# Allegro board LED_FIN.brd (continued)
## Nets (continued)
COL_OUT_B13: D7997.1(CATHODE) D8027.1(CATHODE) D8057.1(CATHODE) D8087.1(CATHODE) D8117.1(CATHODE) D8147.1(CATHODE) D8177.1(CATHODE) D8207.1(CATHODE) D8237.1(CATHODE) D8267.1(CATHODE) D8297.1(CATHODE) D8327.1(CATHODE) D8357.1(CATHODE) D8387.1(CATHODE) D8417.1(CATHODE) D8447.1(CATHODE) D8477.1(CATHODE) D8507.1(CATHODE) D8537.1(CATHODE) D8567.1(CATHODE) D8597.1(CATHODE) D8627.1(CATHODE) D8657.1(CATHODE) D8687.1(CATHODE) D8717.1(CATHODE) D8747.1(CATHODE) D8777.1(CATHODE) D8807.1(CATHODE) D8837.1(CATHODE) D8867.1(CATHODE) D8897.1(CATHODE) D8927.1(CATHODE) D8957.1(CATHODE) D8987.1(CATHODE) D9017.1(CATHODE) D9047.1(CATHODE) D9077.1(CATHODE) D9107.1(CATHODE) R227.1
COL_OUT_B14: D7996.1(CATHODE) D8026.1(CATHODE) D8056.1(CATHODE) D8086.1(CATHODE) D8116.1(CATHODE) D8146.1(CATHODE) D8176.1(CATHODE) D8206.1(CATHODE) D8236.1(CATHODE) D8266.1(CATHODE) D8296.1(CATHODE) D8326.1(CATHODE) D8356.1(CATHODE) D8386.1(CATHODE) D8416.1(CATHODE) D8446.1(CATHODE) D8476.1(CATHODE) D8506.1(CATHODE) D8536.1(CATHODE) D8566.1(CATHODE) D8596.1(CATHODE) D8626.1(CATHODE) D8656.1(CATHODE) D8686.1(CATHODE) D8716.1(CATHODE) D8746.1(CATHODE) D8776.1(CATHODE) D8806.1(CATHODE) D8836.1(CATHODE) D8866.1(CATHODE) D8896.1(CATHODE) D8926.1(CATHODE) D8956.1(CATHODE) D8986.1(CATHODE) D9016.1(CATHODE) D9046.1(CATHODE) D9076.1(CATHODE) D9106.1(CATHODE) R226.1
COL_OUT_B15: D7995.1(CATHODE) D8025.1(CATHODE) D8055.1(CATHODE) D8085.1(CATHODE) D8115.1(CATHODE) D8145.1(CATHODE) D8175.1(CATHODE) D8205.1(CATHODE) D8235.1(CATHODE) D8265.1(CATHODE) D8295.1(CATHODE) D8325.1(CATHODE) D8355.1(CATHODE) D8385.1(CATHODE) D8415.1(CATHODE) D8445.1(CATHODE) D8475.1(CATHODE) D8505.1(CATHODE) D8535.1(CATHODE) D8565.1(CATHODE) D8595.1(CATHODE) D8625.1(CATHODE) D8655.1(CATHODE) D8685.1(CATHODE) D8715.1(CATHODE) D8745.1(CATHODE) D8775.1(CATHODE) D8805.1(CATHODE) D8835.1(CATHODE) D8865.1(CATHODE) D8895.1(CATHODE) D8925.1(CATHODE) D8955.1(CATHODE) D8985.1(CATHODE) D9015.1(CATHODE) D9045.1(CATHODE) D9075.1(CATHODE) D9105.1(CATHODE) R225.1
COL_OUT_B16: D7994.1(CATHODE) D8024.1(CATHODE) D8054.1(CATHODE) D8084.1(CATHODE) D8114.1(CATHODE) D8144.1(CATHODE) D8174.1(CATHODE) D8204.1(CATHODE) D8234.1(CATHODE) D8264.1(CATHODE) D8294.1(CATHODE) D8324.1(CATHODE) D8354.1(CATHODE) D8384.1(CATHODE) D8414.1(CATHODE) D8444.1(CATHODE) D8474.1(CATHODE) D8504.1(CATHODE) D8534.1(CATHODE) D8564.1(CATHODE) D8594.1(CATHODE) D8624.1(CATHODE) D8654.1(CATHODE) D8684.1(CATHODE) D8714.1(CATHODE) D8744.1(CATHODE) D8774.1(CATHODE) D8804.1(CATHODE) D8834.1(CATHODE) D8864.1(CATHODE) D8894.1(CATHODE) D8924.1(CATHODE) D8954.1(CATHODE) D8984.1(CATHODE) D9014.1(CATHODE) D9044.1(CATHODE) D9074.1(CATHODE) D9104.1(CATHODE) R224.1
COL_OUT_B17: D7993.1(CATHODE) D8023.1(CATHODE) D8053.1(CATHODE) D8083.1(CATHODE) D8113.1(CATHODE) D8143.1(CATHODE) D8173.1(CATHODE) D8203.1(CATHODE) D8233.1(CATHODE) D8263.1(CATHODE) D8293.1(CATHODE) D8323.1(CATHODE) D8353.1(CATHODE) D8383.1(CATHODE) D8413.1(CATHODE) D8443.1(CATHODE) D8473.1(CATHODE) D8503.1(CATHODE) D8533.1(CATHODE) D8563.1(CATHODE) D8593.1(CATHODE) D8623.1(CATHODE) D8653.1(CATHODE) D8683.1(CATHODE) D8713.1(CATHODE) D8743.1(CATHODE) D8773.1(CATHODE) D8803.1(CATHODE) D8833.1(CATHODE) D8863.1(CATHODE) D8893.1(CATHODE) D8923.1(CATHODE) D8953.1(CATHODE) D8983.1(CATHODE) D9013.1(CATHODE) D9043.1(CATHODE) D9073.1(CATHODE) D9103.1(CATHODE) R223.1
COL_OUT_B18: D7992.1(CATHODE) D8022.1(CATHODE) D8052.1(CATHODE) D8082.1(CATHODE) D8112.1(CATHODE) D8142.1(CATHODE) D8172.1(CATHODE) D8202.1(CATHODE) D8232.1(CATHODE) D8262.1(CATHODE) D8292.1(CATHODE) D8322.1(CATHODE) D8352.1(CATHODE) D8382.1(CATHODE) D8412.1(CATHODE) D8442.1(CATHODE) D8472.1(CATHODE) D8502.1(CATHODE) D8532.1(CATHODE) D8562.1(CATHODE) D8592.1(CATHODE) D8622.1(CATHODE) D8652.1(CATHODE) D8682.1(CATHODE) D8712.1(CATHODE) D8742.1(CATHODE) D8772.1(CATHODE) D8802.1(CATHODE) D8832.1(CATHODE) D8862.1(CATHODE) D8892.1(CATHODE) D8922.1(CATHODE) D8952.1(CATHODE) D8982.1(CATHODE) D9012.1(CATHODE) D9042.1(CATHODE) D9072.1(CATHODE) D9102.1(CATHODE) R222.1
COL_OUT_B19: D7991.1(CATHODE) D8021.1(CATHODE) D8051.1(CATHODE) D8081.1(CATHODE) D8111.1(CATHODE) D8141.1(CATHODE) D8171.1(CATHODE) D8201.1(CATHODE) D8231.1(CATHODE) D8261.1(CATHODE) D8291.1(CATHODE) D8321.1(CATHODE) D8351.1(CATHODE) D8381.1(CATHODE) D8411.1(CATHODE) D8441.1(CATHODE) D8471.1(CATHODE) D8501.1(CATHODE) D8531.1(CATHODE) D8561.1(CATHODE) D8591.1(CATHODE) D8621.1(CATHODE) D8651.1(CATHODE) D8681.1(CATHODE) D8711.1(CATHODE) D8741.1(CATHODE) D8771.1(CATHODE) D8801.1(CATHODE) D8831.1(CATHODE) D8861.1(CATHODE) D8891.1(CATHODE) D8921.1(CATHODE) D8951.1(CATHODE) D8981.1(CATHODE) D9011.1(CATHODE) D9041.1(CATHODE) D9071.1(CATHODE) D9101.1(CATHODE) R221.1
COL_OUT_B20: D7990.1(CATHODE) D8020.1(CATHODE) D8050.1(CATHODE) D8080.1(CATHODE) D8110.1(CATHODE) D8140.1(CATHODE) D8170.1(CATHODE) D8200.1(CATHODE) D8230.1(CATHODE) D8260.1(CATHODE) D8290.1(CATHODE) D8320.1(CATHODE) D8350.1(CATHODE) D8380.1(CATHODE) D8410.1(CATHODE) D8440.1(CATHODE) D8470.1(CATHODE) D8500.1(CATHODE) D8530.1(CATHODE) D8560.1(CATHODE) D8590.1(CATHODE) D8620.1(CATHODE) D8650.1(CATHODE) D8680.1(CATHODE) D8710.1(CATHODE) D8740.1(CATHODE) D8770.1(CATHODE) D8800.1(CATHODE) D8830.1(CATHODE) D8860.1(CATHODE) D8890.1(CATHODE) D8920.1(CATHODE) D8950.1(CATHODE) D8980.1(CATHODE) D9010.1(CATHODE) D9040.1(CATHODE) D9070.1(CATHODE) D9100.1(CATHODE) R220.1
COL_OUT_B21: D7989.1(CATHODE) D8019.1(CATHODE) D8049.1(CATHODE) D8079.1(CATHODE) D8109.1(CATHODE) D8139.1(CATHODE) D8169.1(CATHODE) D8199.1(CATHODE) D8229.1(CATHODE) D8259.1(CATHODE) D8289.1(CATHODE) D8319.1(CATHODE) D8349.1(CATHODE) D8379.1(CATHODE) D8409.1(CATHODE) D8439.1(CATHODE) D8469.1(CATHODE) D8499.1(CATHODE) D8529.1(CATHODE) D8559.1(CATHODE) D8589.1(CATHODE) D8619.1(CATHODE) D8649.1(CATHODE) D8679.1(CATHODE) D8709.1(CATHODE) D8739.1(CATHODE) D8769.1(CATHODE) D8799.1(CATHODE) D8829.1(CATHODE) D8859.1(CATHODE) D8889.1(CATHODE) D8919.1(CATHODE) D8949.1(CATHODE) D8979.1(CATHODE) D9009.1(CATHODE) D9039.1(CATHODE) D9069.1(CATHODE) D9099.1(CATHODE) R219.1
COL_OUT_B22: D7988.1(CATHODE) D8018.1(CATHODE) D8048.1(CATHODE) D8078.1(CATHODE) D8108.1(CATHODE) D8138.1(CATHODE) D8168.1(CATHODE) D8198.1(CATHODE) D8228.1(CATHODE) D8258.1(CATHODE) D8288.1(CATHODE) D8318.1(CATHODE) D8348.1(CATHODE) D8378.1(CATHODE) D8408.1(CATHODE) D8438.1(CATHODE) D8468.1(CATHODE) D8498.1(CATHODE) D8528.1(CATHODE) D8558.1(CATHODE) D8588.1(CATHODE) D8618.1(CATHODE) D8648.1(CATHODE) D8678.1(CATHODE) D8708.1(CATHODE) D8738.1(CATHODE) D8768.1(CATHODE) D8798.1(CATHODE) D8828.1(CATHODE) D8858.1(CATHODE) D8888.1(CATHODE) D8918.1(CATHODE) D8948.1(CATHODE) D8978.1(CATHODE) D9008.1(CATHODE) D9038.1(CATHODE) D9068.1(CATHODE) D9098.1(CATHODE) R218.1
COL_OUT_B23: D7987.1(CATHODE) D8017.1(CATHODE) D8047.1(CATHODE) D8077.1(CATHODE) D8107.1(CATHODE) D8137.1(CATHODE) D8167.1(CATHODE) D8197.1(CATHODE) D8227.1(CATHODE) D8257.1(CATHODE) D8287.1(CATHODE) D8317.1(CATHODE) D8347.1(CATHODE) D8377.1(CATHODE) D8407.1(CATHODE) D8437.1(CATHODE) D8467.1(CATHODE) D8497.1(CATHODE) D8527.1(CATHODE) D8557.1(CATHODE) D8587.1(CATHODE) D8617.1(CATHODE) D8647.1(CATHODE) D8677.1(CATHODE) D8707.1(CATHODE) D8737.1(CATHODE) D8767.1(CATHODE) D8797.1(CATHODE) D8827.1(CATHODE) D8857.1(CATHODE) D8887.1(CATHODE) D8917.1(CATHODE) D8947.1(CATHODE) D8977.1(CATHODE) D9007.1(CATHODE) D9037.1(CATHODE) D9067.1(CATHODE) D9097.1(CATHODE) R217.1
COL_OUT_B24: D7986.1(CATHODE) D8016.1(CATHODE) D8046.1(CATHODE) D8076.1(CATHODE) D8106.1(CATHODE) D8136.1(CATHODE) D8166.1(CATHODE) D8196.1(CATHODE) D8226.1(CATHODE) D8256.1(CATHODE) D8286.1(CATHODE) D8316.1(CATHODE) D8346.1(CATHODE) D8376.1(CATHODE) D8406.1(CATHODE) D8436.1(CATHODE) D8466.1(CATHODE) D8496.1(CATHODE) D8526.1(CATHODE) D8556.1(CATHODE) D8586.1(CATHODE) D8616.1(CATHODE) D8646.1(CATHODE) D8676.1(CATHODE) D8706.1(CATHODE) D8736.1(CATHODE) D8766.1(CATHODE) D8796.1(CATHODE) D8826.1(CATHODE) D8856.1(CATHODE) D8886.1(CATHODE) D8916.1(CATHODE) D8946.1(CATHODE) D8976.1(CATHODE) D9006.1(CATHODE) D9036.1(CATHODE) D9066.1(CATHODE) D9096.1(CATHODE) R216.1
COL_OUT_B25: D7985.1(CATHODE) D8015.1(CATHODE) D8045.1(CATHODE) D8075.1(CATHODE) D8105.1(CATHODE) D8135.1(CATHODE) D8165.1(CATHODE) D8195.1(CATHODE) D8225.1(CATHODE) D8255.1(CATHODE) D8285.1(CATHODE) D8315.1(CATHODE) D8345.1(CATHODE) D8375.1(CATHODE) D8405.1(CATHODE) D8435.1(CATHODE) D8465.1(CATHODE) D8495.1(CATHODE) D8525.1(CATHODE) D8555.1(CATHODE) D8585.1(CATHODE) D8615.1(CATHODE) D8645.1(CATHODE) D8675.1(CATHODE) D8705.1(CATHODE) D8735.1(CATHODE) D8765.1(CATHODE) D8795.1(CATHODE) D8825.1(CATHODE) D8855.1(CATHODE) D8885.1(CATHODE) D8915.1(CATHODE) D8945.1(CATHODE) D8975.1(CATHODE) D9005.1(CATHODE) D9035.1(CATHODE) D9065.1(CATHODE) D9095.1(CATHODE) R215.1
COL_OUT_B26: D7984.1(CATHODE) D8014.1(CATHODE) D8044.1(CATHODE) D8074.1(CATHODE) D8104.1(CATHODE) D8134.1(CATHODE) D8164.1(CATHODE) D8194.1(CATHODE) D8224.1(CATHODE) D8254.1(CATHODE) D8284.1(CATHODE) D8314.1(CATHODE) D8344.1(CATHODE) D8374.1(CATHODE) D8404.1(CATHODE) D8434.1(CATHODE) D8464.1(CATHODE) D8494.1(CATHODE) D8524.1(CATHODE) D8554.1(CATHODE) D8584.1(CATHODE) D8614.1(CATHODE) D8644.1(CATHODE) D8674.1(CATHODE) D8704.1(CATHODE) D8734.1(CATHODE) D8764.1(CATHODE) D8794.1(CATHODE) D8824.1(CATHODE) D8854.1(CATHODE) D8884.1(CATHODE) D8914.1(CATHODE) D8944.1(CATHODE) D8974.1(CATHODE) D9004.1(CATHODE) D9034.1(CATHODE) D9064.1(CATHODE) D9094.1(CATHODE) R214.1
COL_OUT_B27: D7983.1(CATHODE) D8013.1(CATHODE) D8043.1(CATHODE) D8073.1(CATHODE) D8103.1(CATHODE) D8133.1(CATHODE) D8163.1(CATHODE) D8193.1(CATHODE) D8223.1(CATHODE) D8253.1(CATHODE) D8283.1(CATHODE) D8313.1(CATHODE) D8343.1(CATHODE) D8373.1(CATHODE) D8403.1(CATHODE) D8433.1(CATHODE) D8463.1(CATHODE) D8493.1(CATHODE) D8523.1(CATHODE) D8553.1(CATHODE) D8583.1(CATHODE) D8613.1(CATHODE) D8643.1(CATHODE) D8673.1(CATHODE) D8703.1(CATHODE) D8733.1(CATHODE) D8763.1(CATHODE) D8793.1(CATHODE) D8823.1(CATHODE) D8853.1(CATHODE) D8883.1(CATHODE) D8913.1(CATHODE) D8943.1(CATHODE) D8973.1(CATHODE) D9003.1(CATHODE) D9033.1(CATHODE) D9063.1(CATHODE) D9093.1(CATHODE) R213.1
COL_OUT_B28: D7982.1(CATHODE) D8012.1(CATHODE) D8042.1(CATHODE) D8072.1(CATHODE) D8102.1(CATHODE) D8132.1(CATHODE) D8162.1(CATHODE) D8192.1(CATHODE) D8222.1(CATHODE) D8252.1(CATHODE) D8282.1(CATHODE) D8312.1(CATHODE) D8342.1(CATHODE) D8372.1(CATHODE) D8402.1(CATHODE) D8432.1(CATHODE) D8462.1(CATHODE) D8492.1(CATHODE) D8522.1(CATHODE) D8552.1(CATHODE) D8582.1(CATHODE) D8612.1(CATHODE) D8642.1(CATHODE) D8672.1(CATHODE) D8702.1(CATHODE) D8732.1(CATHODE) D8762.1(CATHODE) D8792.1(CATHODE) D8822.1(CATHODE) D8852.1(CATHODE) D8882.1(CATHODE) D8912.1(CATHODE) D8942.1(CATHODE) D8972.1(CATHODE) D9002.1(CATHODE) D9032.1(CATHODE) D9062.1(CATHODE) D9092.1(CATHODE) R212.1
COL_OUT_B29: D7981.1(CATHODE) D8011.1(CATHODE) D8041.1(CATHODE) D8071.1(CATHODE) D8101.1(CATHODE) D8131.1(CATHODE) D8161.1(CATHODE) D8191.1(CATHODE) D8221.1(CATHODE) D8251.1(CATHODE) D8281.1(CATHODE) D8311.1(CATHODE) D8341.1(CATHODE) D8371.1(CATHODE) D8401.1(CATHODE) D8431.1(CATHODE) D8461.1(CATHODE) D8491.1(CATHODE) D8521.1(CATHODE) D8551.1(CATHODE) D8581.1(CATHODE) D8611.1(CATHODE) D8641.1(CATHODE) D8671.1(CATHODE) D8701.1(CATHODE) D8731.1(CATHODE) D8761.1(CATHODE) D8791.1(CATHODE) D8821.1(CATHODE) D8851.1(CATHODE) D8881.1(CATHODE) D8911.1(CATHODE) D8941.1(CATHODE) D8971.1(CATHODE) D9001.1(CATHODE) D9031.1(CATHODE) D9061.1(CATHODE) D9091.1(CATHODE) R211.1
COL_OUT_B30: D6870.1(CATHODE) D6900.1(CATHODE) D6930.1(CATHODE) D6960.1(CATHODE) D6990.1(CATHODE) D7020.1(CATHODE) D7050.1(CATHODE) D7080.1(CATHODE) D7110.1(CATHODE) D7140.1(CATHODE) D7170.1(CATHODE) D7200.1(CATHODE) D7230.1(CATHODE) D7260.1(CATHODE) D7290.1(CATHODE) D7320.1(CATHODE) D7350.1(CATHODE) D7380.1(CATHODE) D7410.1(CATHODE) D7440.1(CATHODE) D7470.1(CATHODE) D7500.1(CATHODE) D7530.1(CATHODE) D7560.1(CATHODE) D7590.1(CATHODE) D7620.1(CATHODE) D7650.1(CATHODE) D7680.1(CATHODE) D7710.1(CATHODE) D7740.1(CATHODE) D7770.1(CATHODE) D7800.1(CATHODE) D7830.1(CATHODE) D7860.1(CATHODE) D7890.1(CATHODE) D7920.1(CATHODE) D7950.1(CATHODE) D7980.1(CATHODE) R210.1
COL_OUT_B31: D6869.1(CATHODE) D6899.1(CATHODE) D6929.1(CATHODE) D6959.1(CATHODE) D6989.1(CATHODE) D7019.1(CATHODE) D7049.1(CATHODE) D7079.1(CATHODE) D7109.1(CATHODE) D7139.1(CATHODE) D7169.1(CATHODE) D7199.1(CATHODE) D7229.1(CATHODE) D7259.1(CATHODE) D7289.1(CATHODE) D7319.1(CATHODE) D7349.1(CATHODE) D7379.1(CATHODE) D7409.1(CATHODE) D7439.1(CATHODE) D7469.1(CATHODE) D7499.1(CATHODE) D7529.1(CATHODE) D7559.1(CATHODE) D7589.1(CATHODE) D7619.1(CATHODE) D7649.1(CATHODE) D7679.1(CATHODE) D7709.1(CATHODE) D7739.1(CATHODE) D7769.1(CATHODE) D7799.1(CATHODE) D7829.1(CATHODE) D7859.1(CATHODE) D7889.1(CATHODE) D7919.1(CATHODE) D7949.1(CATHODE) D7979.1(CATHODE) R209.1
COL_OUT_B32: D6868.1(CATHODE) D6898.1(CATHODE) D6928.1(CATHODE) D6958.1(CATHODE) D6988.1(CATHODE) D7018.1(CATHODE) D7048.1(CATHODE) D7078.1(CATHODE) D7108.1(CATHODE) D7138.1(CATHODE) D7168.1(CATHODE) D7198.1(CATHODE) D7228.1(CATHODE) D7258.1(CATHODE) D7288.1(CATHODE) D7318.1(CATHODE) D7348.1(CATHODE) D7378.1(CATHODE) D7408.1(CATHODE) D7438.1(CATHODE) D7468.1(CATHODE) D7498.1(CATHODE) D7528.1(CATHODE) D7558.1(CATHODE) D7588.1(CATHODE) D7618.1(CATHODE) D7648.1(CATHODE) D7678.1(CATHODE) D7708.1(CATHODE) D7738.1(CATHODE) D7768.1(CATHODE) D7798.1(CATHODE) D7828.1(CATHODE) D7858.1(CATHODE) D7888.1(CATHODE) D7918.1(CATHODE) D7948.1(CATHODE) D7978.1(CATHODE) R208.1
COL_OUT_B33: D6867.1(CATHODE) D6897.1(CATHODE) D6927.1(CATHODE) D6957.1(CATHODE) D6987.1(CATHODE) D7017.1(CATHODE) D7047.1(CATHODE) D7077.1(CATHODE) D7107.1(CATHODE) D7137.1(CATHODE) D7167.1(CATHODE) D7197.1(CATHODE) D7227.1(CATHODE) D7257.1(CATHODE) D7287.1(CATHODE) D7317.1(CATHODE) D7347.1(CATHODE) D7377.1(CATHODE) D7407.1(CATHODE) D7437.1(CATHODE) D7467.1(CATHODE) D7497.1(CATHODE) D7527.1(CATHODE) D7557.1(CATHODE) D7587.1(CATHODE) D7617.1(CATHODE) D7647.1(CATHODE) D7677.1(CATHODE) D7707.1(CATHODE) D7737.1(CATHODE) D7767.1(CATHODE) D7797.1(CATHODE) D7827.1(CATHODE) D7857.1(CATHODE) D7887.1(CATHODE) D7917.1(CATHODE) D7947.1(CATHODE) D7977.1(CATHODE) R207.1
COL_OUT_B34: D6866.1(CATHODE) D6896.1(CATHODE) D6926.1(CATHODE) D6956.1(CATHODE) D6986.1(CATHODE) D7016.1(CATHODE) D7046.1(CATHODE) D7076.1(CATHODE) D7106.1(CATHODE) D7136.1(CATHODE) D7166.1(CATHODE) D7196.1(CATHODE) D7226.1(CATHODE) D7256.1(CATHODE) D7286.1(CATHODE) D7316.1(CATHODE) D7346.1(CATHODE) D7376.1(CATHODE) D7406.1(CATHODE) D7436.1(CATHODE) D7466.1(CATHODE) D7496.1(CATHODE) D7526.1(CATHODE) D7556.1(CATHODE) D7586.1(CATHODE) D7616.1(CATHODE) D7646.1(CATHODE) D7676.1(CATHODE) D7706.1(CATHODE) D7736.1(CATHODE) D7766.1(CATHODE) D7796.1(CATHODE) D7826.1(CATHODE) D7856.1(CATHODE) D7886.1(CATHODE) D7916.1(CATHODE) D7946.1(CATHODE) D7976.1(CATHODE) R206.1
COL_OUT_B35: D6865.1(CATHODE) D6895.1(CATHODE) D6925.1(CATHODE) D6955.1(CATHODE) D6985.1(CATHODE) D7015.1(CATHODE) D7045.1(CATHODE) D7075.1(CATHODE) D7105.1(CATHODE) D7135.1(CATHODE) D7165.1(CATHODE) D7195.1(CATHODE) D7225.1(CATHODE) D7255.1(CATHODE) D7285.1(CATHODE) D7315.1(CATHODE) D7345.1(CATHODE) D7375.1(CATHODE) D7405.1(CATHODE) D7435.1(CATHODE) D7465.1(CATHODE) D7495.1(CATHODE) D7525.1(CATHODE) D7555.1(CATHODE) D7585.1(CATHODE) D7615.1(CATHODE) D7645.1(CATHODE) D7675.1(CATHODE) D7705.1(CATHODE) D7735.1(CATHODE) D7765.1(CATHODE) D7795.1(CATHODE) D7825.1(CATHODE) D7855.1(CATHODE) D7885.1(CATHODE) D7915.1(CATHODE) D7945.1(CATHODE) D7975.1(CATHODE) R205.1
COL_OUT_B36: D6864.1(CATHODE) D6894.1(CATHODE) D6924.1(CATHODE) D6954.1(CATHODE) D6984.1(CATHODE) D7014.1(CATHODE) D7044.1(CATHODE) D7074.1(CATHODE) D7104.1(CATHODE) D7134.1(CATHODE) D7164.1(CATHODE) D7194.1(CATHODE) D7224.1(CATHODE) D7254.1(CATHODE) D7284.1(CATHODE) D7314.1(CATHODE) D7344.1(CATHODE) D7374.1(CATHODE) D7404.1(CATHODE) D7434.1(CATHODE) D7464.1(CATHODE) D7494.1(CATHODE) D7524.1(CATHODE) D7554.1(CATHODE) D7584.1(CATHODE) D7614.1(CATHODE) D7644.1(CATHODE) D7674.1(CATHODE) D7704.1(CATHODE) D7734.1(CATHODE) D7764.1(CATHODE) D7794.1(CATHODE) D7824.1(CATHODE) D7854.1(CATHODE) D7884.1(CATHODE) D7914.1(CATHODE) D7944.1(CATHODE) D7974.1(CATHODE) R204.1
COL_OUT_B37: D6863.1(CATHODE) D6893.1(CATHODE) D6923.1(CATHODE) D6953.1(CATHODE) D6983.1(CATHODE) D7013.1(CATHODE) D7043.1(CATHODE) D7073.1(CATHODE) D7103.1(CATHODE) D7133.1(CATHODE) D7163.1(CATHODE) D7193.1(CATHODE) D7223.1(CATHODE) D7253.1(CATHODE) D7283.1(CATHODE) D7313.1(CATHODE) D7343.1(CATHODE) D7373.1(CATHODE) D7403.1(CATHODE) D7433.1(CATHODE) D7463.1(CATHODE) D7493.1(CATHODE) D7523.1(CATHODE) D7553.1(CATHODE) D7583.1(CATHODE) D7613.1(CATHODE) D7643.1(CATHODE) D7673.1(CATHODE) D7703.1(CATHODE) D7733.1(CATHODE) D7763.1(CATHODE) D7793.1(CATHODE) D7823.1(CATHODE) D7853.1(CATHODE) D7883.1(CATHODE) D7913.1(CATHODE) D7943.1(CATHODE) D7973.1(CATHODE) R203.1
COL_OUT_B38: D6862.1(CATHODE) D6892.1(CATHODE) D6922.1(CATHODE) D6952.1(CATHODE) D6982.1(CATHODE) D7012.1(CATHODE) D7042.1(CATHODE) D7072.1(CATHODE) D7102.1(CATHODE) D7132.1(CATHODE) D7162.1(CATHODE) D7192.1(CATHODE) D7222.1(CATHODE) D7252.1(CATHODE) D7282.1(CATHODE) D7312.1(CATHODE) D7342.1(CATHODE) D7372.1(CATHODE) D7402.1(CATHODE) D7432.1(CATHODE) D7462.1(CATHODE) D7492.1(CATHODE) D7522.1(CATHODE) D7552.1(CATHODE) D7582.1(CATHODE) D7612.1(CATHODE) D7642.1(CATHODE) D7672.1(CATHODE) D7702.1(CATHODE) D7732.1(CATHODE) D7762.1(CATHODE) D7792.1(CATHODE) D7822.1(CATHODE) D7852.1(CATHODE) D7882.1(CATHODE) D7912.1(CATHODE) D7942.1(CATHODE) D7972.1(CATHODE) R202.1
COL_OUT_B39: D6861.1(CATHODE) D6891.1(CATHODE) D6921.1(CATHODE) D6951.1(CATHODE) D6981.1(CATHODE) D7011.1(CATHODE) D7041.1(CATHODE) D7071.1(CATHODE) D7101.1(CATHODE) D7131.1(CATHODE) D7161.1(CATHODE) D7191.1(CATHODE) D7221.1(CATHODE) D7251.1(CATHODE) D7281.1(CATHODE) D7311.1(CATHODE) D7341.1(CATHODE) D7371.1(CATHODE) D7401.1(CATHODE) D7431.1(CATHODE) D7461.1(CATHODE) D7491.1(CATHODE) D7521.1(CATHODE) D7551.1(CATHODE) D7581.1(CATHODE) D7611.1(CATHODE) D7641.1(CATHODE) D7671.1(CATHODE) D7701.1(CATHODE) D7731.1(CATHODE) D7761.1(CATHODE) D7791.1(CATHODE) D7821.1(CATHODE) D7851.1(CATHODE) D7881.1(CATHODE) D7911.1(CATHODE) D7941.1(CATHODE) D7971.1(CATHODE) R201.1
COL_OUT_B40: D6860.1(CATHODE) D6890.1(CATHODE) D6920.1(CATHODE) D6950.1(CATHODE) D6980.1(CATHODE) D7010.1(CATHODE) D7040.1(CATHODE) D7070.1(CATHODE) D7100.1(CATHODE) D7130.1(CATHODE) D7160.1(CATHODE) D7190.1(CATHODE) D7220.1(CATHODE) D7250.1(CATHODE) D7280.1(CATHODE) D7310.1(CATHODE) D7340.1(CATHODE) D7370.1(CATHODE) D7400.1(CATHODE) D7430.1(CATHODE) D7460.1(CATHODE) D7490.1(CATHODE) D7520.1(CATHODE) D7550.1(CATHODE) D7580.1(CATHODE) D7610.1(CATHODE) D7640.1(CATHODE) D7670.1(CATHODE) D7700.1(CATHODE) D7730.1(CATHODE) D7760.1(CATHODE) D7790.1(CATHODE) D7820.1(CATHODE) D7850.1(CATHODE) D7880.1(CATHODE) D7910.1(CATHODE) D7940.1(CATHODE) D7970.1(CATHODE) R200.1
COL_OUT_B41: D6859.1(CATHODE) D6889.1(CATHODE) D6919.1(CATHODE) D6949.1(CATHODE) D6979.1(CATHODE) D7009.1(CATHODE) D7039.1(CATHODE) D7069.1(CATHODE) D7099.1(CATHODE) D7129.1(CATHODE) D7159.1(CATHODE) D7189.1(CATHODE) D7219.1(CATHODE) D7249.1(CATHODE) D7279.1(CATHODE) D7309.1(CATHODE) D7339.1(CATHODE) D7369.1(CATHODE) D7399.1(CATHODE) D7429.1(CATHODE) D7459.1(CATHODE) D7489.1(CATHODE) D7519.1(CATHODE) D7549.1(CATHODE) D7579.1(CATHODE) D7609.1(CATHODE) D7639.1(CATHODE) D7669.1(CATHODE) D7699.1(CATHODE) D7729.1(CATHODE) D7759.1(CATHODE) D7789.1(CATHODE) D7819.1(CATHODE) D7849.1(CATHODE) D7879.1(CATHODE) D7909.1(CATHODE) D7939.1(CATHODE) D7969.1(CATHODE) R199.1
COL_OUT_B42: D6858.1(CATHODE) D6888.1(CATHODE) D6918.1(CATHODE) D6948.1(CATHODE) D6978.1(CATHODE) D7008.1(CATHODE) D7038.1(CATHODE) D7068.1(CATHODE) D7098.1(CATHODE) D7128.1(CATHODE) D7158.1(CATHODE) D7188.1(CATHODE) D7218.1(CATHODE) D7248.1(CATHODE) D7278.1(CATHODE) D7308.1(CATHODE) D7338.1(CATHODE) D7368.1(CATHODE) D7398.1(CATHODE) D7428.1(CATHODE) D7458.1(CATHODE) D7488.1(CATHODE) D7518.1(CATHODE) D7548.1(CATHODE) D7578.1(CATHODE) D7608.1(CATHODE) D7638.1(CATHODE) D7668.1(CATHODE) D7698.1(CATHODE) D7728.1(CATHODE) D7758.1(CATHODE) D7788.1(CATHODE) D7818.1(CATHODE) D7848.1(CATHODE) D7878.1(CATHODE) D7908.1(CATHODE) D7938.1(CATHODE) D7968.1(CATHODE) R198.1
COL_OUT_B43: D6857.1(CATHODE) D6887.1(CATHODE) D6917.1(CATHODE) D6947.1(CATHODE) D6977.1(CATHODE) D7007.1(CATHODE) D7037.1(CATHODE) D7067.1(CATHODE) D7097.1(CATHODE) D7127.1(CATHODE) D7157.1(CATHODE) D7187.1(CATHODE) D7217.1(CATHODE) D7247.1(CATHODE) D7277.1(CATHODE) D7307.1(CATHODE) D7337.1(CATHODE) D7367.1(CATHODE) D7397.1(CATHODE) D7427.1(CATHODE) D7457.1(CATHODE) D7487.1(CATHODE) D7517.1(CATHODE) D7547.1(CATHODE) D7577.1(CATHODE) D7607.1(CATHODE) D7637.1(CATHODE) D7667.1(CATHODE) D7697.1(CATHODE) D7727.1(CATHODE) D7757.1(CATHODE) D7787.1(CATHODE) D7817.1(CATHODE) D7847.1(CATHODE) D7877.1(CATHODE) D7907.1(CATHODE) D7937.1(CATHODE) D7967.1(CATHODE) R197.1
COL_OUT_B44: D6856.1(CATHODE) D6886.1(CATHODE) D6916.1(CATHODE) D6946.1(CATHODE) D6976.1(CATHODE) D7006.1(CATHODE) D7036.1(CATHODE) D7066.1(CATHODE) D7096.1(CATHODE) D7126.1(CATHODE) D7156.1(CATHODE) D7186.1(CATHODE) D7216.1(CATHODE) D7246.1(CATHODE) D7276.1(CATHODE) D7306.1(CATHODE) D7336.1(CATHODE) D7366.1(CATHODE) D7396.1(CATHODE) D7426.1(CATHODE) D7456.1(CATHODE) D7486.1(CATHODE) D7516.1(CATHODE) D7546.1(CATHODE) D7576.1(CATHODE) D7606.1(CATHODE) D7636.1(CATHODE) D7666.1(CATHODE) D7696.1(CATHODE) D7726.1(CATHODE) D7756.1(CATHODE) D7786.1(CATHODE) D7816.1(CATHODE) D7846.1(CATHODE) D7876.1(CATHODE) D7906.1(CATHODE) D7936.1(CATHODE) D7966.1(CATHODE) R196.1
COL_OUT_B45: D6855.1(CATHODE) D6885.1(CATHODE) D6915.1(CATHODE) D6945.1(CATHODE) D6975.1(CATHODE) D7005.1(CATHODE) D7035.1(CATHODE) D7065.1(CATHODE) D7095.1(CATHODE) D7125.1(CATHODE) D7155.1(CATHODE) D7185.1(CATHODE) D7215.1(CATHODE) D7245.1(CATHODE) D7275.1(CATHODE) D7305.1(CATHODE) D7335.1(CATHODE) D7365.1(CATHODE) D7395.1(CATHODE) D7425.1(CATHODE) D7455.1(CATHODE) D7485.1(CATHODE) D7515.1(CATHODE) D7545.1(CATHODE) D7575.1(CATHODE) D7605.1(CATHODE) D7635.1(CATHODE) D7665.1(CATHODE) D7695.1(CATHODE) D7725.1(CATHODE) D7755.1(CATHODE) D7785.1(CATHODE) D7815.1(CATHODE) D7845.1(CATHODE) D7875.1(CATHODE) D7905.1(CATHODE) D7935.1(CATHODE) D7965.1(CATHODE) R195.1
COL_OUT_B46: D6854.1(CATHODE) D6884.1(CATHODE) D6914.1(CATHODE) D6944.1(CATHODE) D6974.1(CATHODE) D7004.1(CATHODE) D7034.1(CATHODE) D7064.1(CATHODE) D7094.1(CATHODE) D7124.1(CATHODE) D7154.1(CATHODE) D7184.1(CATHODE) D7214.1(CATHODE) D7244.1(CATHODE) D7274.1(CATHODE) D7304.1(CATHODE) D7334.1(CATHODE) D7364.1(CATHODE) D7394.1(CATHODE) D7424.1(CATHODE) D7454.1(CATHODE) D7484.1(CATHODE) D7514.1(CATHODE) D7544.1(CATHODE) D7574.1(CATHODE) D7604.1(CATHODE) D7634.1(CATHODE) D7664.1(CATHODE) D7694.1(CATHODE) D7724.1(CATHODE) D7754.1(CATHODE) D7784.1(CATHODE) D7814.1(CATHODE) D7844.1(CATHODE) D7874.1(CATHODE) D7904.1(CATHODE) D7934.1(CATHODE) D7964.1(CATHODE) R194.1
COL_OUT_B47: D6853.1(CATHODE) D6883.1(CATHODE) D6913.1(CATHODE) D6943.1(CATHODE) D6973.1(CATHODE) D7003.1(CATHODE) D7033.1(CATHODE) D7063.1(CATHODE) D7093.1(CATHODE) D7123.1(CATHODE) D7153.1(CATHODE) D7183.1(CATHODE) D7213.1(CATHODE) D7243.1(CATHODE) D7273.1(CATHODE) D7303.1(CATHODE) D7333.1(CATHODE) D7363.1(CATHODE) D7393.1(CATHODE) D7423.1(CATHODE) D7453.1(CATHODE) D7483.1(CATHODE) D7513.1(CATHODE) D7543.1(CATHODE) D7573.1(CATHODE) D7603.1(CATHODE) D7633.1(CATHODE) D7663.1(CATHODE) D7693.1(CATHODE) D7723.1(CATHODE) D7753.1(CATHODE) D7783.1(CATHODE) D7813.1(CATHODE) D7843.1(CATHODE) D7873.1(CATHODE) D7903.1(CATHODE) D7933.1(CATHODE) D7963.1(CATHODE) R193.1
COL_OUT_B48: D6852.1(CATHODE) D6882.1(CATHODE) D6912.1(CATHODE) D6942.1(CATHODE) D6972.1(CATHODE) D7002.1(CATHODE) D7032.1(CATHODE) D7062.1(CATHODE) D7092.1(CATHODE) D7122.1(CATHODE) D7152.1(CATHODE) D7182.1(CATHODE) D7212.1(CATHODE) D7242.1(CATHODE) D7272.1(CATHODE) D7302.1(CATHODE) D7332.1(CATHODE) D7362.1(CATHODE) D7392.1(CATHODE) D7422.1(CATHODE) D7452.1(CATHODE) D7482.1(CATHODE) D7512.1(CATHODE) D7542.1(CATHODE) D7572.1(CATHODE) D7602.1(CATHODE) D7632.1(CATHODE) D7662.1(CATHODE) D7692.1(CATHODE) D7722.1(CATHODE) D7752.1(CATHODE) D7782.1(CATHODE) D7812.1(CATHODE) D7842.1(CATHODE) D7872.1(CATHODE) D7902.1(CATHODE) D7932.1(CATHODE) D7962.1(CATHODE) R192.1
COL_OUT_B49: D6851.1(CATHODE) D6881.1(CATHODE) D6911.1(CATHODE) D6941.1(CATHODE) D6971.1(CATHODE) D7001.1(CATHODE) D7031.1(CATHODE) D7061.1(CATHODE) D7091.1(CATHODE) D7121.1(CATHODE) D7151.1(CATHODE) D7181.1(CATHODE) D7211.1(CATHODE) D7241.1(CATHODE) D7271.1(CATHODE) D7301.1(CATHODE) D7331.1(CATHODE) D7361.1(CATHODE) D7391.1(CATHODE) D7421.1(CATHODE) D7451.1(CATHODE) D7481.1(CATHODE) D7511.1(CATHODE) D7541.1(CATHODE) D7571.1(CATHODE) D7601.1(CATHODE) D7631.1(CATHODE) D7661.1(CATHODE) D7691.1(CATHODE) D7721.1(CATHODE) D7751.1(CATHODE) D7781.1(CATHODE) D7811.1(CATHODE) D7841.1(CATHODE) D7871.1(CATHODE) D7901.1(CATHODE) D7931.1(CATHODE) D7961.1(CATHODE) R191.1
